# Altium PCB Forno.PcbDoc (part 2 of 2) (continued)
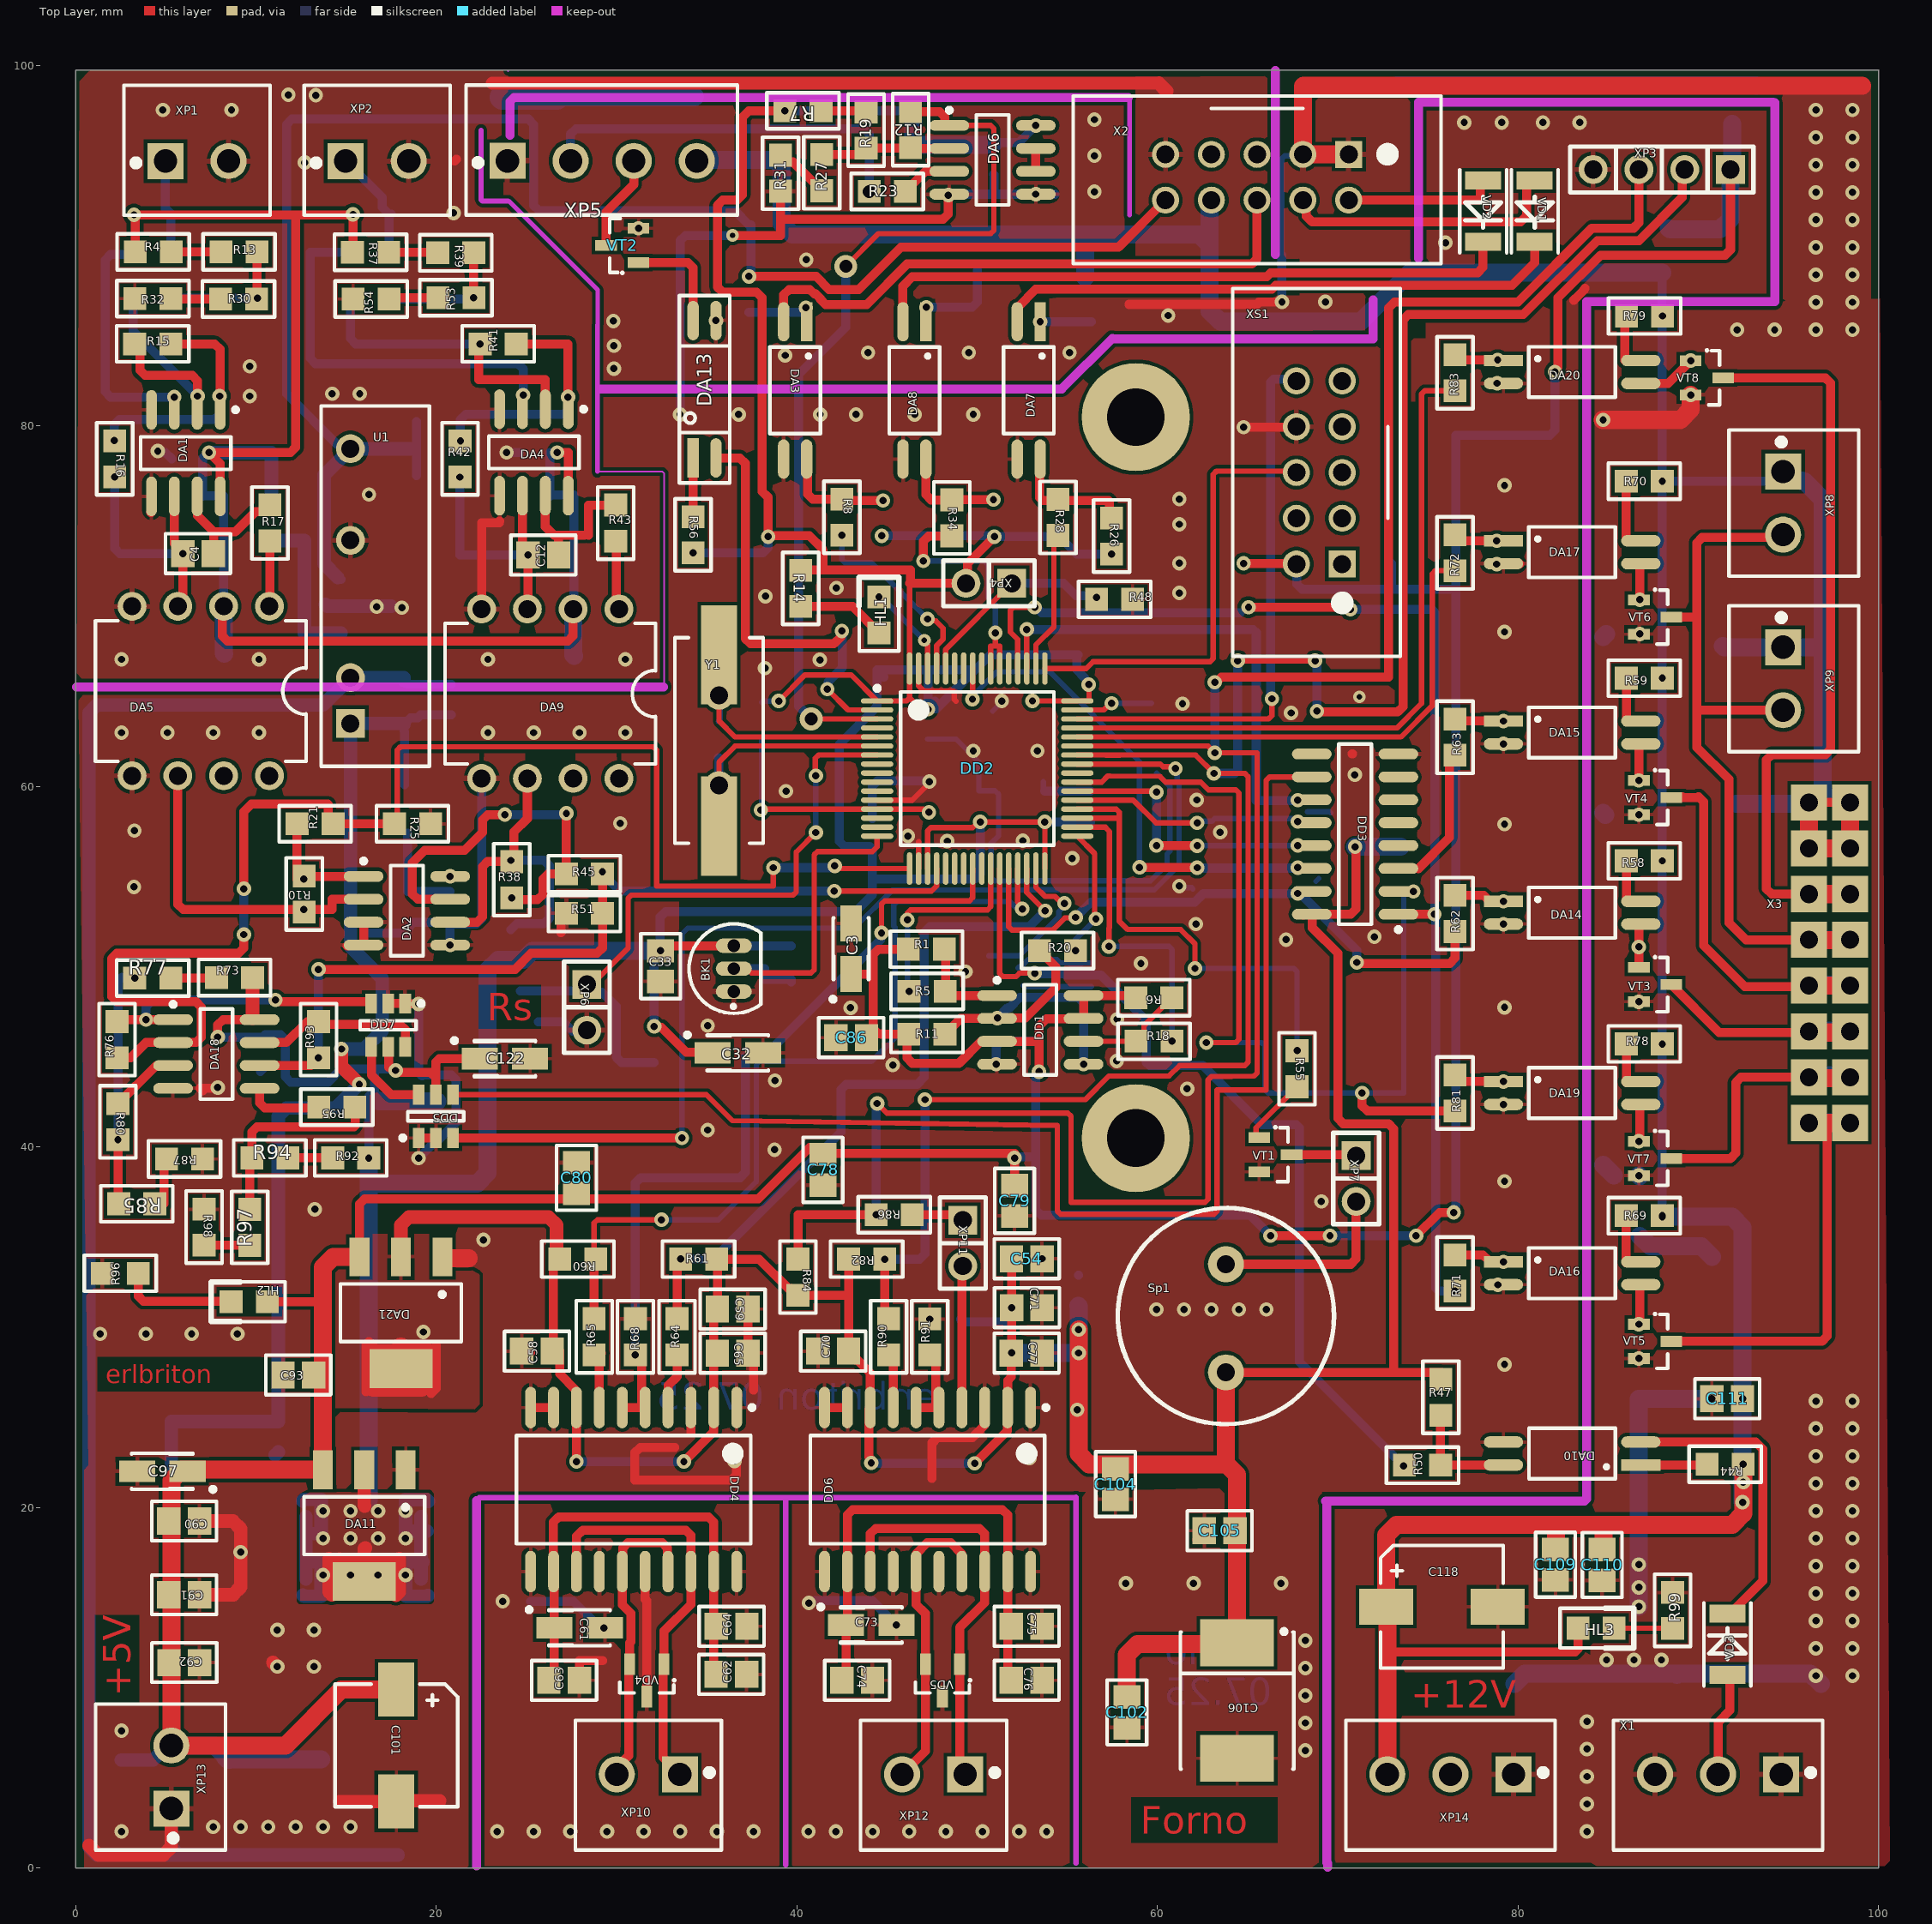
[diagram p0: Top Layer view]
## Nets (pads, with @x,y where several pads share a name; then routed paths per layer and width w, separated by ;. In a path a pad name is that pad's centre, name@x,y a point inside that pad or via, vN(x,y) a via of type N, cw(c..) or ccw(c..) an arc to the next point about the centre after c; other vN are vias at no path point) (continued)
NetDA3_1: DA3.1 R9.1 | length 3.3
  Bottom Layer w0.5: R9.1@37.338,86.3 40.153,86.3 40.416,86.563 v1(40.497,86.563)
NetDA3_4: DA3.4 R2.1 R8.1 | length 6.3
  Top Layer w0.5: DA3.4@40.535,78.166 40.561,78.14 40.561,77.27 40.589,77.242 40.589,76.232 40.882,75.939 R8.1@42.494,75.939 42.564,75.87 v1(44.78,75.87)
NetDA4_1: DA4.1 R41.2 R42.1 | length 14.9
  Top Layer w0.5: R41.2@24.428,84.557 27.203,84.557 ; DA4.1@27.305,80.594 v1(27.305,81.61) 27.305,84.557
  Bottom Layer w0.5: v1(21.336,79.172) 21.336,80.352 21.629,80.645 27.058,80.645 27.351,80.938 27.351,81.564 v1(27.305,81.61)
NetDA4_2: DA4.2 R41.1 R46.2 | length 17.3
  Top Layer w0.5: v1(22.428,84.557) 22.352,84.557 22.352,82.575 26.035,82.575 DA4.2@26.035,80.62
  Bottom Layer w0.5: R46.2@15.374,87.046 15.24,86.912 15.24,84.85 15.533,84.557 v1(22.428,84.557)
NetDA4_3: DA4.3 R49.2 | length 21.7
  Bottom Layer w0.5: R49.2@15.367,89.637 13.005,89.637 13.005,83.757 13.298,83.464 24.523,83.464 24.816,83.172 v1(24.816,81.724)
NetDA5_1: DA5.1 R17.2 | length 3.6
  Top Layer w0.5: DA5.1@10.74,69.998 10.77,70.028 R17.2@10.77,73.625
NetDA6_2: DA6.2 R12.1 R19.1 R27.2 | length 7.3
  Top Layer w0.5: R27.2@41.377,95.056 43.478,95.056 R19.1@43.84,95.418 46.279,95.418 R12.1@46.304,95.444 46.346,95.402 DA6.2@48.451,95.402
NetDA6_3: DA6.3 R23.2 | length 2.9
  Top Layer w0.5: R23.2@46.009,93.015 47.126,94.132 DA6.3@48.451,94.132
NetDA6_6: DA6.6 DA6.7 | length 1.3
  Top Layer w0.5: DA6.6@53.251,94.132 DA6.7@53.251,95.402
NetDA7_1: DA7.1 R29.1 | length 2.8
  Bottom Layer w0.5: v1(53.491,85.786) R29.1@56.337,85.786
NetDA7_2: DA7.2 VD1.2 | length 31.7
  Top Layer w0.5: DA7.2@52.221,85.786 52.265,85.83 52.265,86.605 53.247,87.587 66.345,87.587 66.566,87.808 79.664,87.808 80.924,89.068 VD1.2@80.924,90.214
NetDA7_4: DA7.4 R26.1 R28.1 | length 7.1
  Top Layer w0.3: DA7.4@53.467,78.105 53.491,78.129 DA7.4@53.491,78.166 ; 57.279,75.87 57.342,75.807 ; R26.1@57.342,75.011 R26.1@57.455,74.898
  Top Layer w0.5: DA7.4@53.467,78.105 53.467,76.046 53.643,75.87 57.279,75.87 ; R26.1@57.342,75.011 57.342,75.807
NetDA8_1: DA8.1 R35.1 | length 4.7
  Bottom Layer w0.5: v1(47.178,86.589) 49.72,86.589 50.013,86.881 R35.1@50.013,88.637
NetDA8_2: DA8.2 VD2.2 | length 36
  Top Layer w0.5: DA8.2@45.881,85.786 45.881,87.766 46.402,88.287 66.055,88.287 66.276,88.508 77.761,88.508 78.054,88.801 78.054,90.207 VD2.2@78.061,90.214
NetDA8_4: DA8.4 R33.1 R34.1 | length 5.8
  Top Layer w0.5: DA8.4@47.151,78.166 47.151,76.197 47.444,75.905 R34.1@48.59,75.905 48.606,75.921 v1(50.902,75.921)
NetDA9_1: DA9.1 R43.2 | length 3.9
  Top Layer w0.5: R43.2@29.972,73.616 29.972,69.85 DA9.1@30.128,69.85
NetDA10_1: DA10.1 R44.2 | length 3.7
  Top Layer w0.5: DA10.1@86.81,22.365 90.453,22.365 R44.2@90.491,22.403
NetDA10_2: DA10.2 VD3.2 | length 16.9
  Top Layer w0.5: DA10.2@86.81,23.635 93.179,23.635 93.576,23.238 93.576,15.928 VD3.2@91.683,14.035
NetDA10_4: DA10.4 R47.1 R50.1 | length 6.3
  Top Layer w0.5: R47.1@75.717,25.121 75.701,25.105 R50.1@75.701,22.352 75.714,22.365 DA10.4@79.19,22.365
NetDA12_1: DA12.1 L3.1 | length 9.1
  Bottom Layer w0.5: 12.675,68.504 12.676,68.502
  Bottom Layer w0.75: L3.1@10.77,73.651 12.675,73.651 12.675,68.504 ; 12.676,68.502 DA12.1@14.72,68.502
NetDA13_1: DA13.1 R56.1 | length 3.3
  Top Layer w0.5: R56.1@34.239,74.965 DA13.1@34.239,78.232
NetDA13_4: DA13.4 VT2.1 | length 6.1
  Top Layer w0.5: VT2.1@31.213,89.068 31.223,89.078 33.946,89.078 34.239,88.785 DA13.4@34.239,85.852
NetDA14_3: DA14.3 R66.2 VT3.1 | length 3.6
  Top Layer w0.5: VT3.1@86.7,49.962 v1(86.7,51.105) 86.7,52.303 86.762,52.365 DA14.3@86.81,52.365
  Bottom Layer w0.5: R66.2@86.7,49.962 v1(86.7,51.105)
NetDA14_4: DA14.4 R58.1 | length 2.4
  Top Layer w0.5: DA14.4@86.023,53.729 R58.1@86.023,56.109
NetDA15_3: DA15.3 R67.2 VT4.1 | length 2.1
  Top Layer w0.5: v1(86.7,60.335) 86.7,62.255 DA15.3@86.81,62.365
NetDA15_4: DA15.4 R59.1 | length 2.4
  Top Layer w0.5: DA15.4@86.023,63.635 R59.1@86.023,66.015
NetDA16_3: DA16.3 R74.2 VT5.1 | length 1.9
  Top Layer w0.5: VT5.1@86.755,30.363 DA16.3@86.755,32.305
  other v1: 86.7,30.17 86.7,30.17 86.7,30.17
NetDA16_4: DA16.4 R69.1 | length 2.4
  Top Layer w0.5: DA16.4@85.992,33.593 R69.1@85.992,35.973
NetDA17_3: DA17.3 R75.2 VT6.1 | length 2
  Top Layer w0.5: v1(86.755,70.368) 86.755,72.31 DA17.3@86.81,72.365
NetDA17_4: DA17.4 R70.1 | length 3
  Top Layer w0.5: DA17.4@85.997,73.635 R70.1@85.997,76.632
NetDA18_1: DA18.1 DD7.3 R76.2 | length 16.6
  Top Layer w0.5: R76.2@2.286,46.958 2.394,47.066 v1(3.896,47.066) DA18.1@5.398,47.066 ; v1(11.074,48.158) 11.156,48.158 11.257,48.057 16.298,48.057 16.373,47.982 DD7.3@16.373,47.961
  Bottom Layer w0.5: v1(3.896,47.066) 3.896,47.789 4.265,48.158 v1(11.074,48.158)
NetDA18_3: DA18.3 R80.2 | length 3.9
  Top Layer w0.5: R80.2@2.337,42.402 4.442,44.507 5.379,44.507 DA18.3@5.398,44.526
NetDA18_5: DA18.5 R95.2 | length 4.2
  Top Layer w0.5: DA18.5@10.198,43.256 10.198,42.457 10.491,42.164 13.427,42.164 R95.2@13.478,42.215
NetDA18_7: DA18.7 DD7.6 R93.2 | length 9.7
  Top Layer w0.5: DA18.7@10.198,45.796 11.671,45.796 12.832,46.958 R93.2@13.462,46.958 ; R93.2@13.379,46.875 13.442,46.812 17.98,46.812 18.273,46.519 DD7.6@18.273,45.561
NetDA19_3: DA19.3 R88.2 VT7.1 | length 1.9
  Top Layer w0.5: VT7.1@86.755,40.396 DA19.3@86.755,42.338
  other v1: 86.7,40.32
NetDA19_4: DA19.4 R78.1 | length 2.4
  Top Layer w0.5: DA19.4@86.023,43.569 R78.1@86.023,45.949
NetDA20_3: DA20.3 R89.2 VT8.1 | length 3.3
  Top Layer w0.5: DA20.3@86.81,82.365 88.313,82.365 v1(89.575,83.627)
NetDA20_4: DA20.4 R79.1 | length 2.5
  Top Layer w0.5: DA20.4@85.921,83.635 R79.1@85.921,86.106
NetDD1_1: DD1.1 R1.2 R5.2 | length 5.6
  Top Layer w0.3: R1.2@48.184,50.978 R1.2@48.244,50.918 ; R5.2@48.244,48.336 R5.2@48.313,48.405
  Top Layer w0.5: R5.2@48.244,48.336 R1.2@48.244,50.918 ; R5.2@48.313,48.405 DD1.1@51.1,48.405
NetDD1_2: DD1.2 DD1.5 R11.2 R20.1 | length 18.4
  Top Layer w0.5: R11.2@48.209,46.253 49.091,47.135 DD1.2@51.1,47.135 v1(51.119,47.154) 52.666,47.154 54.356,48.844 54.356,50.003 53.843,50.517 R20.1@53.458,50.902
  Bottom Layer w0.5: v1(51.119,47.154) 51.709,47.744 51.813,47.744 52.363,48.295 55.607,48.295 55.9,48.002 v1(55.9,44.595)
NetDD1_6: DD1.6 R6.1 R18.1 | length 6.1
  Top Layer w0.3: DD1.6@55.9,45.865 58.8,45.865 R18.1@58.808,45.872 59.246,46.311 59.246,46.74 R6.1@60.792,48.285
NetDD4_4: DD4.4 R64.1 | length 2.9
  Top Layer w0.5: DD4.4@32.849,25.55 32.868,25.569 32.868,26.788 33.35,27.27 R64.1@33.35,28.27
NetDD4_7: DD4.7 R65.1 | length 3.1
  Top Layer w0.5: DD4.7@29.039,25.55 29.039,28.455 R65.1@29.159,28.575
NetDD4_13: DD4.13 DD4.18 VD4.1 XP10.1 | length 22.7
  Top Layer w0.5: DD4.13@27.769,16.45 27.769,18.402 28.117,18.75 33.826,18.75 34.119,18.457 34.119,14.637 32.624,13.142 VD4.1@32.624,11.314 ; VD4.1@32.573,11.176 32.573,6.133 XP10.1@33.506,5.2
NetDD4_15: DD4.15 DD4.17 VD4.2 XP10.2 | length 16.7
  Top Layer w0.5: XP10.2@30.006,5.2 30.006,5.576 30.673,6.243 VD4.2@30.673,10.922 ; VD4.2@30.724,11.314 30.724,12.479 30.793,12.549 30.793,14.121 30.309,14.605 DD4.15@30.309,16.45 30.328,16.469 30.328,17.39 30.342,17.403 30.342,17.757 30.635,18.05 32.523,18.05 32.816,17.757 32.816,17.36 32.849,17.327 DD4.17@32.849,16.45
NetDD5_6: DD5.6 DD7.4 | length 4.6
  Top Layer w0.5: DD7.4@16.373,45.561 16.392,45.543 16.392,44.01 17.494,42.907 DD5.6@19.014,42.907
NetDD6_4: DD6.4 XP11.2 | length 7.3
  Top Layer w0.5: DD6.4@49.149,25.55 XP11.2@49.149,32.868
NetDD6_7: DD6.7 R90.1 | length 3
  Top Layer w0.5: R90.1@45.085,28.475 45.339,28.221 DD6.7@45.339,25.55
NetDD6_13: DD6.13 DD6.18 VD5.1 XP12.1 | length 22.8
  Top Layer w0.5: DD6.13@44.069,16.45 44.069,18.554 44.362,18.847 50.126,18.847 50.419,18.554 DD6.18@50.419,16.45 50.419,14.732 49.022,13.335 VD5.1@49.022,11.314 49.022,5.51 XP12.1@49.332,5.2
NetDD6_15: DD6.15 DD6.17 VD5.2 XP12.2 | length 17
  Top Layer w0.5: XP12.2@45.832,5.2 47.122,6.49 VD5.2@47.122,11.314 ; VD5.2@47.123,11.315 47.123,14.118 46.609,14.632 DD6.15@46.609,16.45 46.628,16.469 46.628,17.447 47.231,18.05 48.527,18.05 49.13,17.447 49.13,16.469 DD6.17@49.149,16.45
NetHL1_1: HL1.1 R14.2 | length 5
  Top Layer w0.5: R14.2@40.208,69.993 43.078,69.993 HL1.1@44.552,68.52
NetHL2_2: HL2.2 R96.1 | length 6.5
  Top Layer w0.5: R96.1@3.464,32.995 3.464,31.738 3.757,31.445 8.592,31.445 HL2.2@8.617,31.42
NetHL3_2: HL3.2 R99.1 | length 3.2
  Top Layer w0.3: HL3.2@85.328,13.31 88.56,13.31 R99.1@88.57,13.3
NetR4_1: R4.1 R13.2 | length 2.8
  Top Layer w0.5: R4.1@5.293,89.662 R13.2@8.052,89.662
NetR7_1: R7.1 R19.2 | length 2.5
  Top Layer w0.5: R7.1@41.335,97.485 43.773,97.485 R19.2@43.84,97.418
NetR13_1: R13.1 R22.1 R30.2 | length 7.6
  Top Layer w0.5: R30.2@10.026,87.046 10.052,87.071 R13.1@10.052,89.662
  Bottom Layer w0.5: R22.1@5.242,87.122 5.207,87.122 5.207,87.097 v1(10.084,87.097)
NetR27_1: R27.1 R31.2 | length 3.1
  Top Layer w0.5: R31.2@39.091,95.031 39.476,94.646 39.787,94.646 R27.1@41.377,93.056
NetR30_1: R30.1 R32.2 | length 2.8
  Top Layer w0.5: R32.2@5.267,87.046 R30.1@8.026,87.046
NetR37_1: R37.1 R39.2 | length 2.7
  Top Layer w0.5: R37.1@17.348,89.637 20.073,89.637 R39.2@20.073,89.611
NetR39_1: R39.1 R46.1 R53.2 | length 7.2
  Top Layer w0.5: R39.1@22.073,89.611 v1(22.073,87.122) R53.2@22.082,87.122
  Bottom Layer w0.5: R46.1@17.374,87.046 v1@22.047,87.046
NetR53_1: R53.1 R54.2 | length 2.7
  Top Layer w0.5: R54.2@17.383,87.122 R53.1@20.082,87.122
NetR55_2: R55.2 VT1.1 | length 3.9
  Top Layer w0.3: VT1.1@65.64,40.525 65.615,40.525 65.465,40.675 65.465,41.072 R55.2@67.742,43.348
NetR73_1: R73.1 R77.2 | length 2.5
  Top Layer w0.5: R77.2@5.267,49.378 7.779,49.378 R73.1@7.804,49.403
NetR77_1: R77.1 R80.1 R85.2 | length 13.4
  Top Layer w0.5: R85.2@2.337,36.855 v1(2.337,40.402)
  Bottom Layer w0.5: v1(2.337,40.402) 2.337,49.186 2.584,49.434 3.211,49.434 v1(3.267,49.378)
NetR85_1: R85.1 R87.2 | length 1.8
  Top Layer w0.5: R85.1@4.886,36.855 4.886,38.694
NetR86_1: R86.1 XP11.1 | length 2.9
  Top Layer w0.5: R86.1@46.399,36.246 48.895,36.246 XP11.1@49.2,35.941
NetR92_1: R92.1 R94.2 | length 2.5
  Top Layer w0.5: R94.2@11.76,39.421 R92.1@14.249,39.421
NetR94_1: R94.1 R95.1 R97.2 | length 11.3
  Top Layer w0.5: R97.2@9.652,36.544 9.652,39.287 R94.1@9.76,39.395 9.76,40.837 10.053,41.13 15.434,41.13 ; R95.1@15.478,42.215 R95.1@15.745,41.948 ; 15.491,41.199 R95.1@15.491,41.948
NetR97_1: R97.1 R98.2 | length 2.5
  Top Layer w0.5: R98.2@7.112,34.56 9.636,34.56 R97.1@9.652,34.544
NetSp1_1: Sp1.1 XP7.2 | length 10.5
  Top Layer w0.5: Sp1.1@63.8,33.5 70.726,33.5 71.018,33.793 XP7.2@71.018,36.982
NetVD3_1: VD3.1 X1.2 | length 5.8
  Top Layer w0.5: X1.2@91.096,5.2 91.096,8.096 91.75,8.75 91.75,10.568 VD3.1@91.612,10.706
NetVT1_3: VT1.3 XP7.1 | length 3.6
  Top Layer w0.5: VT1.3@67.44,39.575 70.966,39.575 XP7.1@71.018,39.522
OE: DD2.38 DD3.13 | length 14.8
  Top Layer w0.3: DD2.38@55.55,59.75 59.884,59.75 v1(59.944,59.69) ; v1(62.2,56.718) v1@62.23,56.718
  Top Layer w0.5: v1@59.944,56.718 v1(62.2,56.718)
  Bottom Layer w0.3: v1(62.2,56.718) v1@67.767,56.718
  Bottom Layer w0.5: v1@59.944,57.113 v1(59.944,59.69)
  other v1: 67.779,56.73 59.944,56.732
Off: DA13.2 DD2.2 | length 24.2
  Top Layer w0.3: v1(41.681,65.405) 42.836,64.25 DD2.2@44.45,64.25
  Top Layer w0.5: DA13.2@35.509,78.232 36.837,78.232 37.13,77.939 37.13,68.221 37.423,67.928 42.051,67.928 42.437,68.313 42.437,68.573 v1(42.494,68.631)
  Bottom Layer w0.5: v1(41.681,65.405) 41.739,65.462 41.739,65.818 42.52,66.599 42.52,68.605 v1(42.494,68.631)
Off_rl: VT2.3 XP5.3 | length 5.2
  Top Layer w0.5: VT2.3@29.413,90.018 29.413,91.871 30.952,93.409 XP5.3@30.952,94.604
Reset: C17.1 DD2.7 R52.2 XP6.1 | length 35.4
  Top Layer w0.3: XP6.1@28.702,49.098 30.632,51.029 30.632,53.799 30.808,53.975 39.788,53.975 39.964,54.151 39.964,56.367 v1(41.046,57.449) ; v1(41.046,60.604) 41.021,60.63 41.021,61.574 41.197,61.75 DD2.7@44.45,61.75
  Bottom Layer w0.3: v1(41.046,57.449) v1(41.046,60.604)
  Bottom Layer w0.5: C17.1@24.654,48.653 XP6.1@27.556,48.653 ; 29.175,48.6 29.972,47.803 29.972,44.987 30.265,44.695 R52.2@32.08,44.695
Right: DD2.39 DD3.2 R81.1 | length 56.1
  Top Layer w0.3: DD2.39@55.55,60.25 56.905,60.25 57.245,60.59 57.37,60.59 60.126,60.569 60.212,60.482 60.445,60.25 62.395,60.25 62.828,59.817 64.34,59.817 64.516,59.641 64.516,45.972 64.34,45.796 v1(62.709,45.796)
  Top Layer w0.5: v1(71.349,43.002) 71.349,42.295 71.641,42.002 R81.1@76.5,42.002
  Bottom Layer w0.3: v1(62.709,45.796) 65.788,45.796 65.964,45.62 65.964,43.178 66.14,43.002 v1(71.349,43.002) 73.593,43.002 ; 73.66,43.002 73.66,53.975 73.768,54.083 74.098,54.083 v1(74.193,54.178)
Rt_rl: VT7.3 X3.3 X3.4 | length 16.5
  Top Layer w0.5: VT7.3@88.5,39.37 91.782,39.37 92.075,39.663 92.075,43.583 92.368,43.876 X3.3@96.132,43.876 X3.3@96.193,43.815 ; X3.4@98.418,43.876 98.418,43.822 X3.4@98.425,43.815
  Top Layer w1: X3.3@96.193,43.815 X3.4@98.425,43.815
  Bottom Layer w1: X3.3@96.284,43.978 X3.4@98.57,43.978
RX1: DD2.43 R84.1 R86.2 XP3.3 | length 126.8
  Top Layer w0.3: v1(44.45,42.418) 44.983,41.885 55.029,41.885 55.205,41.709 55.205,36.933 62.631,36.933 62.807,37.109 62.807,43.728 62.98,43.902 65.35,43.94 65.436,44.026 65.524,44.114 65.524,61.874 v1(63.18,61.874) 62.804,62.25 DD2.43@55.55,62.25
  Top Layer w0.5: R84.1@40.056,33.782 40.056,36.246 v1(44.399,36.246) ; v1(63.18,65.786) 63.261,65.786 63.54,66.065 72.806,66.065 ; 72.806,66.116 72.806,86.55 73.141,86.884 80.002,86.884 84.101,90.983 86.41,90.983 86.703,91.276 XP3.3@86.703,94.23
  Bottom Layer w0.5: v1(44.399,36.246) 44.399,42.367 v1(44.45,42.418) ; v1(63.18,61.874) v1(63.18,65.786)
RX3: DD2.30 R61.1 R64.2 | length 40.7
  Top Layer w0.3: DD2.30@52.75,55.45 52.75,54.133 v1(53.772,53.111)
  Top Layer w0.5: R64.2@33.35,30.27 R64.2@33.35,30.475 33.35,33.588 R61.1@33.544,33.782
  Bottom Layer w0.5: v1(33.553,33.791) 35.392,33.791 42.443,40.843 42.443,43.191 42.736,43.484 46.676,43.484 47.069,43.876 47.069,51.927 47.361,52.22 52.881,52.22 v1(53.772,53.111)
SCK: DD2.51 DD3.11 | length 26.6
  Top Layer w0.3: DD2.51@52.75,66.55 v1(52.75,68.719)
  Bottom Layer w0.5: v1(52.75,68.719) 65.303,68.719 65.479,68.543 65.479,59.222 v1@67.779,59.222
  other v1: 67.779,59.248
Sp1: DD2.35 DD2.36 R55.1 | length 27
  Top Layer w0.3: DD2.35@55.55,58.25 57.887,58.25 ; DD2.36@55.55,58.75 57.711,58.75 57.887,58.574 57.887,58.25 ; v1(62.078,49.911) 62.078,51.283 61.29,52.07 58.344,52.07 57.887,52.527 57.887,58.25
  Bottom Layer w0.3: v1(62.078,49.911) 67.566,49.911 67.742,49.735 v1(67.742,45.348)
SWCLK: DD2.49 XS1.6 | length 24.5
  Top Layer w0.3: DD2.49@53.75,66.55 56.042,66.55 56.421,66.929 62.918,66.929 63.094,67.105 63.094,77.324 63.269,77.5 XS1.6@67.73,77.5
SWDIO: DD2.46 XS1.10 | length 30.9
  Top Layer w0.3: DD2.46@55.55,63.75 66.169,63.75 ; 66.169,63.76 66.345,63.936 v1(66.345,64.872)
  Bottom Layer w0.5: v1(66.345,64.872) 66.269,64.948 66.269,82.425 66.444,82.601 67.709,82.601 XS1.10@67.73,82.58
Temp: DA18.2 DD2.17 R21.2 R25.2 R76.1 | length 80.6
  Top Layer w0.3: R25.2@17.678,57.937 17.831,58.09 17.831,62.029 18.007,62.205 32.039,62.205 32.215,62.029 32.215,54.475 38.694,54.475 v1(38.694,55.499) 38.694,55.651 v1@38.827,55.651 ; v1(42.098,55.601) 42.233,55.601 42.384,55.45 DD2.17@46.25,55.45
  Top Layer w0.5: R76.1@2.286,44.958 3.048,44.958 3.886,45.796 DA18.2@5.398,45.796 6.667,45.796 6.96,46.089 6.96,47.764 6.667,48.057 2.274,48.057 1.981,48.35 1.981,50.456 2.274,50.749 9.029,50.749 9.322,51.042 v1(9.322,51.791) ; v1(9.322,54.331) 9.322,58.61 9.734,59.022 13.982,59.022 14.006,58.999 14.006,58.207 R21.2@14.275,57.937 R25.2@17.678,57.937
  Bottom Layer w0.3: v1@38.694,55.651 v1@38.79,55.556 ; v1@41.861,55.499 41.962,55.601 v1(42.098,55.601)
  Bottom Layer w0.5: v1(9.322,51.791) v1(9.322,54.331) ; v1(38.694,55.499) v1@41.861,55.499
tempIn: R3.1 R24.1 XP1.1 | length 5.4
  Bottom Layer w0.5: XP1.1@4.974,94.7 4.974,92.054 R3.1@5.283,91.745 R24.1@5.283,89.408
TX1: DD2.42 R82.1 R90.2 XP3.2 | length 119.8
  Top Layer w0.3: v1(47.1,42.635) 56.005,42.635 57.315,43.945 60.645,43.945 61.226,44.526 64.848,44.526 65.024,44.702 65.024,60.556 64.848,60.731 v1(63.129,60.731) 62.11,61.75 57.915,61.75 57.912,61.747 57.15,61.747 57.147,61.75 DD2.42@55.55,61.75 ; v1(64.45,66.98) v1(68.742,66.98)
  Top Layer w0.5: v1(44.866,33.782) 44.866,30.694 R90.2@45.085,30.475 ; v1@68.84,64.135 73.326,64.135 73.619,64.428 73.619,85.892 73.912,86.184 80.292,86.184 84.391,90.283 86.7,90.283 89.097,92.68 89.097,94.083 XP3.2@89.243,94.23
  Bottom Layer w0.3: 64.274,60.731 64.45,60.907
  Bottom Layer w0.5: v1(44.866,33.782) 46.807,33.782 47.1,34.075 v1(47.1,42.635) ; v1(63.129,60.731) 64.274,60.731 ; 64.45,60.907 v1(64.45,66.98) ; v1(68.742,66.98) 68.8,66.922 68.8,66.71 68.844,66.666 v1(68.844,64.186)
TX3: DD2.29 R60.1 R65.2 | length 47.3
  Top Layer w0.3: R60.1@28.753,33.687 28.753,35.789 28.931,35.966 v1(32.487,35.966) ; DD2.29@52.25,55.45 52.25,53.598 52.5,53.348 v1(52.5,53.213)
  Top Layer w0.5: R65.2@28.753,30.475 28.753,33.687 R60.1@28.848,33.782
  Bottom Layer w0.3: v1(32.487,35.966) 35.636,35.966 37.744,38.075 37.744,44.579 37.92,44.755 44.145,44.755 45.443,46.052 45.443,52.187 45.376,52.254 45.376,53.444 45.552,53.619 51.808,53.619 52.119,53.309 52.404,53.309 v1(52.5,53.213)
XTAL1: C11.1 DD2.5 R40.2 Y1.2 | length 14.8
  Top Layer w0.3: Y1.2@35.68,65.058 35.68,63.646 36.576,62.75 DD2.5@44.45,62.75
  Bottom Layer w0.3: R40.2@35.636,63.611 35.738,63.713 35.738,65.116 35.738,66.167
  Bottom Layer w0.5: Y1.2@35.68,65.058 Y1.2@35.738,65.116 ; 35.738,66.167 C11.1@35.738,67.73
XTAL2: C13.1 DD2.6 R40.1 Y1.1 | length 14.7
  Top Layer w0.3: Y1.1@35.68,60.058 35.68,61.354 36.576,62.25 DD2.6@44.45,62.25
  Bottom Layer w0.5: C13.1@35.56,57.404 35.56,59.938 Y1.1@35.68,60.058 35.658,60.08 35.658,61.589 R40.1@35.636,61.611
pads on no net: "DD2. 40" DA5.7 DA5.8 DA9.7 DA9.8 DD2.4 DD2.8 DD2.9 DD2.10 DD2.11 DD2.14 DD2.15 DD2.21 DD2.22 DD2.23 DD2.25 DD2.53 DD2.56 DD2.58 DD2.59 DD3.4 DD3.5 DD3.6 DD3.7 DD3.9 X2.5 X2.7 XP14.2 XS1.1 XS1.3 XS1.4 XS1.5 XS1.7 XS1.9

## Polygon pours and split planes (outlines as drawn)
GND12V on Bottom Layer "GND" (solid, remove dead copper, pour order 15): 23.888,99.173 23.888,81.938 23.975,81.852 54.861,81.852 57.82,84.811 58.42,84.811 58.42,91.075 58.42,99.389
GND on Bottom Layer "GND_L02_P040" (solid, remove dead copper, pour order 40): 35.662,98.476 35.611,98.425 35.611,89.662 58.166,89.662 58.369,89.865 58.369,98.577
GND on Bottom Layer "GND" (solid, remove dead copper, pour order 17): 32.365,84.15 32.365,81.649 32.365,20.866 83.444,20.866 83.393,20.917 83.393,84.563
GND on Bottom Layer "GND" (solid, remove dead copper, pour order 27): 0,65.532 0.914,64.618 0.914,24.486 23.952,24.486 24.13,24.663 24.13,20.93 24.714,20.853 33.452,20.853 33.452,64.668 32.639,65.481
GND12V on Bottom Layer "GND" (solid, remove dead copper, pour order 21): 84.023,86.995 84.023,0.305 83.947,0.229 84.049,0.127 99.67,0.127 99.67,86.614 99.212,87.071
GND on Bottom Layer "GND" (solid, remove dead copper, pour order 10): 0.178,0.305 0.178,0.66 0.178,24.943 21.615,24.943 21.641,24.968 21.641,0.152 21.717,0.076
GND on Bottom Layer "GND" (solid, remove dead copper, pour order 25): 74.905,98.273 74.905,81.53 83.398,81.53 83.398,86.929 83.718,87.249 83.845,87.122 90.932,87.122 90.932,90.678 90.932,98.273
AGND on Bottom Layer "AGND_L02_P050" (solid, remove dead copper, pour order 50): 26.314,99.009 26.238,98.933 26.238,97.18 34.9,97.18 34.976,97.257 34.849,97.384 34.849,99.06
AGND on Bottom Layer "GND" (solid, remove dead copper, pour order 1): 0.15,99.134 0.737,99.72 23.927,99.72 27.357,89.054 28.626,87.785 28.626,77.343 32.436,77.343 32.436,65.557 20.498,65.557 20.498,67.64 13.437,67.64 13.437,65.532 0,65.532 0,65.583
GND on Bottom Layer "GND_L02_P046" (solid, pour order 46): 61.773,84.887 61.773,81.472 61.889,81.356 75.209,81.356 75.209,84.836 75.184,84.861
GND12V on Bottom Layer "GND12V_L02_P045" (solid, remove dead copper, pour order 45): 66.751,99.416 66.751,89.281 67.818,89.281 67.843,89.306 67.894,89.256 67.894,85.319 74.524,85.319 74.371,85.471 74.371,99.365
AGND on Bottom Layer "AGND_L02_P043" (solid, pour order 43): 58.636,99.444 58.636,89.487 58.661,89.512 66.332,89.512 66.332,99.428 66.253,99.507
GND12V on Bottom Layer "GND12V_L02_P049" (solid, pour order 49): 58.395,89.19 58.395,85.192 66.839,85.192 66.892,85.14 66.968,85.216 66.968,89.313
GND12V on Bottom Layer "GND" (solid, pour order 37): 91.44,99.986 91.44,86.36 100.076,86.36 100.076,100.494
GND on Bottom Layer "GND" (solid, pour order 19): 29.097,82.064 29.097,77.629 28.934,77.466 32.541,77.466 32.541,81.749 32.856,82.064
G4851 on Bottom Layer "GND" (solid, remove dead copper, pour order 29): 22.377,20.549 22.225,20.396 22.225,0.127 39.319,0.127 39.37,0.178 39.37,20.523
GND on Bottom Layer "GND" (solid, remove dead copper, pour order 34): 55.474,20.931 55.474,0 55.55,-0.076 55.677,0.051 69.444,0.051 69.444,21.006 69.266,21.184
G4852 on Bottom Layer "GND" (solid, remove dead copper, pour order 32): 39.35,20.64 39.325,20.614 39.325,0.117 55.311,0.117 55.474,0.279 55.448,0.305 55.448,20.549
GND12V on Bottom Layer "GND" (solid, remove dead copper, pour order 23): 69.452,20.056 69.393,19.996 69.393,0.305 84.379,0.305 84.124,0.559 84.124,20.183
3.3V on Bottom Layer "3.3V" (solid, remove dead copper, pour order 8): 12.383,20.879 12.459,20.803 12.459,14.884 19.672,14.884 19.672,20.726 19.596,20.803
GND on Top Layer "GND" (solid, remove dead copper, pour order 16): 32.369,84.817 32.369,81.661 32.369,20.879 83.449,20.879 83.398,20.93 83.398,84.817
GND on Top Layer "GND_L01_P039" (solid, pour order 39): 35.509,98.323 35.509,89.56 35.611,89.662 58.166,89.662 58.166,98.374 58.268,98.476
GND12V on Top Layer "GND" (solid, remove dead copper, pour order 14): 23.723,99.389 23.723,82.154 23.81,82.067 54.696,82.067 57.655,85.026 58.522,85.026 58.522,99.389
GND on Top Layer "GND" (solid, remove dead copper, pour order 26): 74.879,99.404 74.879,81.53 83.5,81.53 83.5,86.929 83.82,87.249 83.947,87.122 93.98,87.122 93.98,99.746
GND12V on Top Layer "GND" (solid, pour order 36): 94.488,98.552 94.488,86.868 99.406,86.868 99.568,86.706 99.568,99.06
GND12V on Top Layer "GND" (solid, remove dead copper, pour order 22): 84.013,86.995 84.013,0.305 83.937,0.229 84.039,0.127 100.613,0.127 100.079,87.076
GND on Top Layer "GND" (solid, remove dead copper, pour order 28): -0.004,65.543 0.15,64.68 0.737,20.091 33.448,20.599 33.448,64.68 32.635,65.492
GND on Top Layer "GND" (solid, pour order 18): 29.093,82.067 29.093,77.632 28.931,77.47 32.537,77.47 32.537,81.753 32.461,82.067
AGND on Top Layer "GND" (solid, remove dead copper, pour order 3): 0.201,99.134 0.787,99.72 23.978,99.72 23.978,92.1 28.677,87.401 28.677,86.614 28.677,77.343 32.487,77.343 32.487,65.557 20.549,65.557 20.549,67.64 13.487,67.64 13.487,65.532 0.051,65.532 0.051,65.583
GND on Top Layer "GND" (solid, pour order 38): 0.356,22.504 0.457,22.403 0.457,0.051 22.013,0.051 22.205,0.244 22.149,0.3 22.149,22.428
GND on Top Layer "GND" (solid, remove dead copper, pour order 35): 55.474,20.931 55.474,0 55.55,-0.076 55.677,0.051 69.444,0.051 69.444,21.006 69.266,21.184
GND on Top Layer "GND_L01_P047" (solid, pour order 47): 61.773,84.887 61.773,81.472 61.889,81.356 75.209,81.356 75.209,84.836 75.184,84.861
GND12V on Top Layer "GND12V_L01_P044" (solid, pour order 44): 66.751,99.416 66.751,89.281 67.818,89.281 67.843,89.306 67.894,89.256 67.894,85.319 74.524,85.319 74.371,85.471 74.371,99.365
AGND on Top Layer "AGND_L01_P042" (solid, pour order 42): 58.776,99.365 58.776,89.408 58.801,89.433 66.472,89.433 66.472,99.349 66.393,99.428
GND12V on Top Layer "GND12V_L01_P048" (solid, pour order 48): 58.522,87.129 58.522,85.294 68.503,85.294 68.555,85.242 68.631,85.319 68.631,87.274
+3.3VC on Top Layer "GND" (solid, remove dead copper, pour order 11): 13.345,25.527 13.345,35.179 22.336,35.179 22.387,35.23 22.387,25.451
G4852 on Top Layer "GND2" (solid, remove dead copper, pour order 33): 39.34,20.646 39.314,20.621 39.314,0.123 55.3,0.123 55.463,0.286 55.438,0.311 55.438,20.555
G4851 on Top Layer "GND1" (solid, pour order 30): 22.383,20.538 22.231,20.386 22.231,0.117 39.325,0.117 39.376,0.167 39.376,20.513
GND12V on Top Layer "GND" (solid, remove dead copper, pour order 24): 69.463,20.063 69.404,20.003 69.404,0.312 84.39,0.312 84.136,0.566 84.136,20.19
3.3V on Top Layer "3.3V" (solid, remove dead copper, pour order 7): 12.37,20.879 12.446,20.803 12.446,14.834 19.66,14.834 19.66,20.726 19.583,20.803

## Keep-outs
Keep-Out Layer:
  lines w0.1: 23.952,99.72 23.978,99.695 ; 28.931,77.47 32.537,77.47 32.639,77.368 32.639,65.481
  lines w0.25: 28.931,77.47 28.931,85.598
  lines w0.254: 23.978,92.481 24.019,92.481 28.949,87.551 28.949,87.525 28.949,85.667 ; 58.445,91.694 58.445,98.273
  lines w0.3: 22.377,20.549 55.448,20.549 ; 22.479,96.393 22.479,92.558 22.555,92.481 23.978,92.481 ; 34.239,82.067 37.313,82.071 ; 39.37,0.178 39.37,20.523 ; 55.474,0.279 55.474,20.574
  lines w0.5: 0.051,65.532 32.596,65.532 ; 22.225,0.127 22.225,20.386 ; 24.079,96.139 24.079,98.002 24.299,98.222 58.369,98.222 ; 29.097,82.064 54.692,82.064 ; 54.696,82.067 57.49,84.861 ; 57.49,84.836 71.958,84.836 ; 66.548,89.51 66.548,99.72 ; 69.444,0.051 69.444,0.254 69.393,0.305 69.393,20.31 69.332,20.371 83.693,20.371 83.795,20.472 83.795,86.893 94.234,86.893 ; 71.958,84.938 71.958,86.995 ; 74.473,89.306 74.473,97.956 94.144,97.956 ; 94.234,87.046 94.234,97.942

## Other copper
Top Layer:
  pour cut-out: 33.636,18.291 33.66,18.267 33.66,17.679 33.454,17.679 33.391,17.615 33.131,17.875 33.018,17.875 33.018,17.997 33.312,18.291
  pour cut-out: 33.165,18.032 33.312,18.179 33.312,18.291
  pour cut-out: 33.288,17.615 33.018,17.885 33.312,18.179 33.312,18.291 33.636,18.291 33.636,17.703 33.525,17.703 33.437,17.615
  pour cut-out: 33.096,18.161 33.182,18.161 33.312,18.291 33.636,18.291 33.636,17.703 33.66,17.679 33.597,17.615 33.278,17.615 33.018,17.875 33.018,17.896
  pour cut-out: 89.193,82.597 89.624,83.027 89.823,83.027 89.923,83.127 90.375,83.127 90.375,83.01 90.575,82.81 90.575,82.427 90.375,82.227 89.346,82.227
  text "Rs" at 22.809,47.015 h1.52
  text "erlbriton" at 1.651,26.899 h1
  text "+5V" at 3.048,9.525 h1.52 r90
  text "+12V" at 74.041,8.89 h1.52
  text "Forno" at 59.05,1.9 h1.52
Bottom Layer:
  text "erlbriton 07.25" at 47.782,25.421 h1.52
  text "Forno" at 66.364,11.296 h1.52
  text "07.25" at 66.345,9.042 h1.52

## Silkscreen, mask and mechanical layers (free items; w line width, h text height)
Top Paste:
  lines w4: 97.536,10.668 97.536,25.908 ; 97.536,85.852 97.536,97.028
Bottom Paste:
  lines w4: 97.536,10.668 97.536,25.908 ; 97.536,85.852 97.536,97.028
Board Shape:
  lines w0.3: 100,99.746 0,99.746 0,0 100,0 100,99.746 ; 100,99.746 100,99.746